# Altium PCB PCB.PcbDoc (continued)
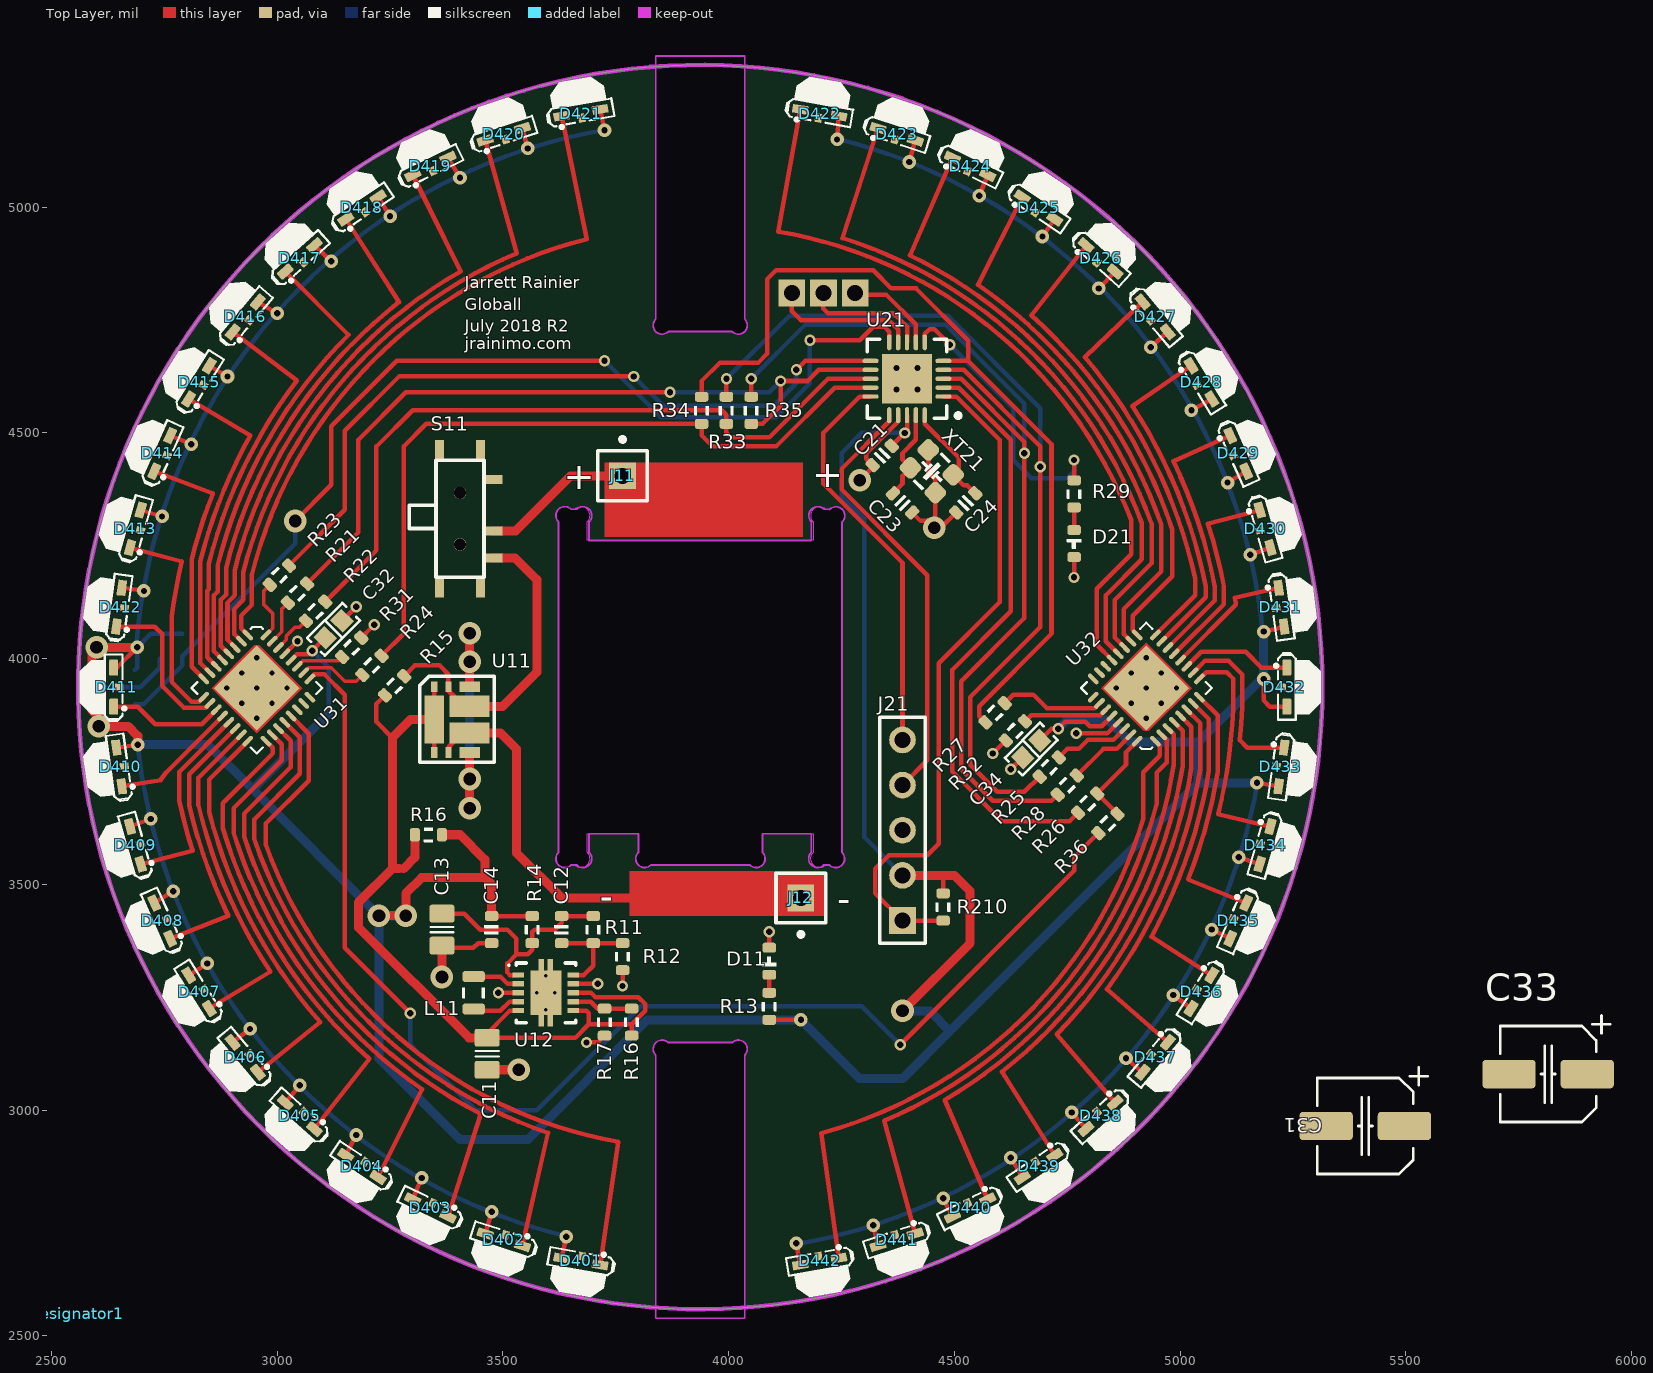
[diagram p0: Top Layer view]
## Footprints (in the part's own frame and the unit in brackets; to place one, negate y for a bottom-side part, rotate by r counter-clockwise, add the part's x,y. Pads: shape width x height; smd on the part's side, far side on the other; paste and mask are expansions set on the pad)
10-VSON [mm] "VSON, 10-Leads, Body 3x3mm, Pitch 0.5mm"
  rect 0.65x0.3 smd: 1(-1.55,1) 2(-1.55,0.5) 3(-1.55,0) 4(-1.55,-0.5) 5(-1.55,-1) 6(1.55,-1) 7(1.55,-0.5) 8(1.55,0) 9(1.55,0.5) 10(1.55,1)
  rect 0.3x0.65 smd: 9(-0.25,-1.575) 9(-0.25,1.575) 9(0.25,-1.575) 9(0.25,1.575)
  rect 1.75x2.5 smd: 9(0,0)
  silkscreen extent -2.12,-1.68 1.67,1.68, body extent -1.52,-1.52 1.52,1.52, height 1
"CAP 0603/1608" [mm] "Chip Capacitor, 2-Leads, Body 1.60x0.80mm, IPC Medium Density"
  rect 0.9x1 smd: 1(-0.675,0) 2(0.675,0)
  silkscreen extent -1.4,-0.7 1.4,0.7, body extent -0.8,-0.41 0.8,0.41, height 0.82
CAP_0603 [mil]
  rrect50% 22x30 smd: 1(-30,0) 2(30,0)
  silkscreen extent -10,-15 10,15, body extent -31,-16 31,16, height 31
CAP_ELEC_5x5.7 [mm] "Capacitor, polarized, aluminum can; 5x5.7mm DxH"
  round 0.508 on Mech15: 0(0,0)
  rrect25% 3x1.6 smd: 1(2.2,0) 2(-2.2,0)
  silkscreen extent -2.7,-2.7 3.5,3.3, body extent -2.65,-2.65 2.65,2.65, height 5.7
CAPC2012X135N [mm] "Chip Capacitor, Body 2.0x1.2mm, EIA 0805, IPC Medium Density"
  round 0.254 on Mech15: 0(0,0)
  rrect25% 1x1.4 smd: 1(-0.9,0) 2(0.9,0)
  Top Layer pour cut-out: -0.675,0.7 -0.475,0.9 0.475,0.9 0.675,0.7 0.675,-0.7 0.475,-0.9 -0.475,-0.9 -0.675,-0.7
  silkscreen extent -0.15,-0.65 0.15,0.65, body extent -1.1,-0.72 1.1,0.73, height 1.34
HDR1X5 [mm] "Connector; Header; 5 Position"
  rect 1.5x1.5 hole 0.9: 1(0,0)
  round 1.5 hole 0.9: 2(2.54,0) 3(5.08,0) 4(7.62,0) 5(10.16,0)
  silkscreen extent -1.27,-1.27 11.43,1.27
LED-0805S-SIDELED-2.1X0.6X1.0 [mm] "Lite-On Inc PLCC Side LED"
  round 0.508 on Mech15: 0(0,0)
  rrect25% 0.9x0.5 smd: A(1.1,0) K(-1.1,0)
  rrect25% 0.4x0.5 smd: B(0,-0.3)
  Top Layer pour cut-out: -0.508,0.3 0.508,0.3 0.508,-0.3 -0.508,-0.3
  silkscreen extent -1.9,-0.68 1.83,1.9, body extent -1.1,-0.3 1.1,0.8, height 0.7
LED_0603_RED [mil]
  rrect50% 22x30 smd: 1(-30,0) 2(30,0)
  silkscreen extent -10,-16 10,16, body extent -32,-16 32,16, height 24
MSK-12C02 [mm] "MSK-12C02 2 Position 7pins SPDT 0.3A Miniature Horizontal Slide Switch"
  rect 1.1x0.5 smd: 1(1.85,-2.2) 2(1.85,-0.7) 3(1.85,2.2)
  rect 0.5x1.1 smd: 4(-1.15,3.875) 5(1.15,3.875) 6(-1.15,-3.875) 7(1.15,-3.875)
  round 0.7 hole 0.7 unplated: MH1(0,1.45) MH2(0,-1.45)
  silkscreen extent -2.85,-3.3 1.35,3.3
PIN1 [mm] "Connector; Plug"
  rect 1.5x1.5 hole 0.9: 1(0,0)
  silkscreen extent -1.4,-1.4 1.4,2.17
QFN50P500X500X100-33N [mm] "QFN, 32-Leads with exposed die pad, Body 5.2x5.2mm (max), Pitch 0.50mm, IPC Medium Density"
  oval 0.75x0.25 smd mask+0.075: 1(-2.475,1.75) 2(-2.475,1.25) 3(-2.475,0.75) 4(-2.475,0.25) 5(-2.475,-0.25) 6(-2.475,-0.75) 7(-2.475,-1.25) 8(-2.475,-1.75) 17(2.475,-1.75) 18(2.475,-1.25) 19(2.475,-0.75) 20(2.475,-0.25) 21(2.475,0.25) 22(2.475,0.75) 23(2.475,1.25) 24(2.475,1.75)
  oval 0.25x0.75 smd mask+0.075: 9(-1.75,-2.475) 10(-1.25,-2.475) 11(-0.75,-2.475) 12(-0.25,-2.475) 13(0.25,-2.475) 14(0.75,-2.475) 15(1.25,-2.475) 16(1.75,-2.475) 25(1.75,2.475) 26(1.25,2.475) 27(0.75,2.475) 28(0.25,2.475) 29(-0.25,2.475) 30(-0.75,2.475) 31(-1.25,2.475) 32(-1.75,2.475)
  oct 0.8x0.8 smd far side paste-1.7: 33(-1.4,1.4)
  rect 3.4x3.4 smd paste-1.7: 33(0,0)
  rrect1% 3.6x3.4 smd far side paste-1.7: 33(0,-0.1)
  rrect1% 3.4x3.6 smd far side paste-1.7: 33(0.1,0)
  Top Layer region: -1.8,1.6 -1.6,1.8 1.8,1.8 1.8,1.6
  Top Layer region: -1.6,1.8 -1.8,1.6 -1.8,-1.8 -1.6,-1.8
  Top Layer region: -1.8,-1.6 -1.6,-1.8 1.8,-1.8 1.8,-1.6
  Top Layer region: 1.6,-1.8 1.8,-1.6 1.8,1.8 1.6,1.8
  silkscreen extent -2.6,-2.6 2.6,2.6, body extent -2.59,-2.59 2.6,2.6, height 1
QFN-ML20_M [mm] "QFN, 20-Leads, Body 4x4mm, Pitch 0.5mm, IPC Low Density"
  oval 0.9x0.25 smd: 1(-2.05,1) 2(-2.05,0.5) 3(-2.05,0) 4(-2.05,-0.5) 5(-2.05,-1) 11(2.05,-1) 12(2.05,-0.5) 13(2.05,0) 14(2.05,0.5) 15(2.05,1)
  oval 0.25x0.9 smd: 6(-1,-2.05) 7(-0.5,-2.05) 8(0,-2.05) 9(0.5,-2.05) 10(1,-2.05) 16(1,2.05) 17(0.5,2.05) 18(0,2.05) 19(-0.5,2.05) 20(-1,2.05)
  rect 2.8x2.8 smd: 21(0,0)
  silkscreen extent -3,-2.22 2.22,2.22, body extent -2.07,-2.07 2.07,2.07, height 1
RES_0603 [mil]
  rrect50% 22x30 smd: 1(-30,0) 2(30,0)
  silkscreen extent -10,-16 10,16, body extent -31,-16 31,16, height 18
RES_0805 [mil]
  rrect50% 24x50 smd: 1(-36,0) 2(36,0)
  silkscreen extent -12,-24 12,24, body extent -39,-25 39,25, height 24
SOT23-3 [mil]
  rrect50% 30x24 smd: 1(-47,38) 2(-47,-38) 3(47,0)
  silkscreen extent -21,-53 21,53, body extent -55,-57 55,57, height 51
U-DFN4040-8 [mm]
  rect 1.1x2.7 smd mask+0.075: 1(-1.2,0)
  rect 0.35x0.6 smd mask+0.075: 1(-1.2,1.85) 2(-0.4,1.85) 5(-0.4,-1.85) 6(-1.2,-1.85)
  rect 2.25x1.2 smd mask+0.075: 2(0.8,0.75) 5(0.8,-0.75)
  rect 1.15x0.6 smd mask+0.075: 3(0.8,1.85) 4(0.8,-1.85)
  silkscreen extent -2,-2.4 2.17,2.45
XT_2520_4 [mil]
  rrect50% 40x40 smd: 1(39,28) 2(-39,28) 3(-39,-28) 4(39,-28)
  silkscreen extent -29,-44 29,44, body extent -49,-39 49,39, height 31
? [mil]

## Part data
C11 C12 C13 C14 C21 C22 C23 C24 C32 C34: "Capacitor"
C31 C33: library part "Polarised Capacitor", "SMT Polarised Capacitor"
D11 D21: "LED"
D401 D402 D403 D404 D405 D406 D407 D408 D409 D410 D411 D412 D413 D414 D415 D416 D417 D418 D419 D420 D421 D422 D423 D424 D425 D426 D427 D428 D429 D430 D431 D432 D433 D434 D435 D436 D437 D438 D439 D440 D441 D442: library part LED_SMD_PureGreen_0805RA_250mcd, "LED 0805 SIDELED SMD Green 250mcd 525nm"
J11 J12: library part Plug, "Plug"
J21: "Header, 5-Pin"
R11 R12 R13 R14 R15 R16 R16 R17 R21 R22 R23 R24 R25 R26 R27 R28 R29 R31 R32 R33 R34 R35 R36 R210 R211: "Resistor"
S11: "SPDT Subminiature Toggle Switch, Right Angle Mounting, Vertical Actuation"
U11: "3A Full Bridge Rectifier"
U12: "Buck-Boost Switching Regulator IC Positive Fixed 3.3V 1 Output 1.6A (Switch) 10-VFDFN Exposed Pad"
U21: "PIC PIC® XLP™ 16F Microcontroller IC 8-Bit 32MHz 14KB (8K x 14) FLASH 20-QFN (4x4)"
U22: library part A32xx, "Sensor Hall"
U31 U32: "LED Driver"
XT21: "Crystal Oscillator"

## Free pads (board coordinates)
  rect 59.06x59.06 hole 35.43: 1(4140,4810) 1(4210,4810) 1(4280,4810)

## Via types
v1: diameter 30, hole 14, Top Layer to Bottom Layer, 43 vias
v2: diameter 25, hole 14, Top Layer to Bottom Layer, 29 vias
v3: diameter 15.75, hole 11.81, Top Layer to Bottom Layer, tented both sides, 18 vias
v4: diameter 50, hole 28, Top Layer to Bottom Layer, 14 vias
v5: diameter 19.68, hole 7.87, Top Layer to Bottom Layer, tented top, 4 vias
v6: diameter 25.98, hole 12.99, Top Layer to Bottom Layer, tented top, 4 vias

## Nets (pads, with @x,y where several pads share a name; then routed paths per layer and width w, separated by ;. In a path a pad name is that pad's centre, name@x,y a point inside that pad or via, vN(x,y) a via of type N, cw(c..) or ccw(c..) an arc to the next point about the centre after c; other vN are vias at no path point)
BLANK1: R22.2 U31.30 | length 90
  Top Layer w8: U31.30 3020,4041.76 3020,4050 3040,4070 3050,4070 R22.2
BLANK1_I: R22.1 R33.2 U21.13 | length 1620.5
  Top Layer w10: R22.1 3220,4240 3220,4470 3300,4550 3985,4550 3995,4540 R33.2 3995,4500 4005,4490 4090,4490 4220,4620 U21.13
BLANK2: R25.2 U32.30 | length 172.3
  Top Layer w10: R25.2 4750,3800 4762.43,3800 4775,3800 4795,3820 4851.76,3820 U32.30
BLANK2_I: R25.1 R33.1 U21.4 | length 2254.3
  Top Layer w10: R33.1 v2(3995,4620) ; U21.4 4520.31,4639.69 4690,4470 v2(4690,4425) 4690,4070 4535,3915 4535,3765 4595,3705 4655,3705 R25.1
  Bottom Layer w10: v2(3995,4620) 4135,4760 4485,4760 4690,4555 v2(4690,4425)
GND: C11.1 C13.1 C14.1 C21.1 C22.1 C23.1 C24.1 C31.2 C32.1 C33.2 C34.1 D11.2 D21.2 J21.3 R12.1 R17.1 R31.1 R32.1 U11.3 U11.4 U12.3 U12.9@3656.02,3279.68 U21.17 U21.21 U22.3 U31.29 U32.29 XT21.2 XT21.4 | length 2107.7
  Top Layer w10: U31.29 v2(3045,4038.92) ; C32.1@3146.21,4086.21 v2(3175,4115) ; R31.1 v2@3210,4070 ; C13.1@3365,3359.57 3434.57,3359.57 3445,3370 C14.1 ; v2(3490,3260) U12.3 ; U12.9@3656.02,3279.68 3709.68,3279.68 v2(3710,3280) ; v2(3685,3150) 3710,3150 R17.1 ; v2@3765,3270 v2(3765,3275) R12.1 ; D11.2 v2(4090,3395) ; v4(4290,4395) 4318.79,4423.79 C21.1 4305,4442.57 4305,4455 4375.31,4525.31 U21.17 ; C23.1 4425,4305 4440,4305 v4(4455,4290) 4470,4290 C24.1 ; XT21.4 4442.22,4412.78 4457.78,4397.22 XT21.2 v4@4457.78,4292.78 ; v2(4585,3790) R32.1 ; v2(4625,3755) C34.1@4648.79,3778.79 ; v2(4765,4180) D21.2 ; v2(4770,3835) 4838.92,3835 U32.29
  Top Layer w20: v4(3365,3295) C13.1@3365,3359.57 ; v4(3426.5,3668.5) v4(3426.5,3733.5) U11.4 ; U11.3 v4(3426.5,3993.5) ; v4@3426.5,4000.83 v4(3426.5,4056.5) ; C11.1 v4(3535.43,3089.57)
  Bottom Layer w10: U22.3 2697.01,3937.01 2740,3980 C22.1 C22.1@2740,4000
  Bottom Layer w20: v4(3426.5,3668.5) v4(3426.5,3733.5) v4(3426.5,3993.5) v4(3426.5,4056.5)
  other v2: 3215,4075
  other v6: 4371.38,4596.38 4418.62,4596.38 4371.38,4643.62 4418.62,4643.62
IN1: R15.2 S11.1 U11.2 | length 709.9
  Top Layer w10: R15.2 3305,3985 3360,3985 3379.25,3965.75 U11.2@3379.25,3937.83 ; U11.2@3379.25,3929.29 U11.2@3394.27,3914.27 ; U11.2@3390,3910 3405.47,3894.53 U11.2@3426.5,3894.53
  Top Layer w20: U11.2@3426.5,3894.53 3499.53,3894.53 3575,3970 3575,4175 3526.61,4223.39 S11.1
IN2: J12.1 U11.5 | length 1089.8
  Top Layer w10: U11.5@3380,3800 3380,3805 U11.5@3423.31,3848.31 ; U11.5@3422.56,3835.47 3426.5,3835.47 U11.5@3426.97,3835
  Top Layer w20: U11.5@3426.97,3835 3495,3835 3530,3800 3530,3570 3630,3470 J12.1
NetC12_1: C12.1 R11.1 R12.2 U12.10 | length 232.5
  Top Layer w10: C12.1@3635,3370 R11.1 ; U12.10 3679.37,3299.37 3700,3320 R11.1 ; R12.2 R11.1
NetC12_2: C12.2 C13.2 R11.2 R14.2 U12.1 | length 535
  Top Layer w10: C13.2 3414.57,3435.43 3450,3400 3510,3400 3530,3380 3530,3345 ; U12.1 3515.63,3299.37 3510,3305 3510,3325 3530,3345 ; R11.2 C12.2 3630,3415 3615,3400 3570,3400 3565,3395 R14.2 3565,3355 3555,3345 3530,3345
NetD11_1: D11.1 R13.1 | length 40
  Top Layer w10: R13.1 D11.1
NetD21_1: D21.1 R29.1 | length 50
  Top Layer w10: D21.1 R29.1
NetJ11_1: J11.1 S11.2 | length 337.9
  Top Layer w20: S11.2 3527.44,4282.44 3650,4405 J11.1
NetJ22_1: pad.1@4280,4810 U21.7 | length 203.2
  Top Layer w10: pad.1@4280,4810 4283.5,4806.5 4348.5,4806.5 4414.69,4740.31 U21.7
NetJ23_1: pad.1@4210,4810 U21.8 | length 270.9
  Top Layer w10: pad.1@4210,4810 4210,4775 4220,4765 4365,4765 4395,4735 U21.8
NetJ24_1: pad.1@4140,4810 U21.9 | length 321
  Top Layer w10: pad.1@4140,4810 4140,4770 4160,4750 4355,4750 4375.31,4729.69 U21.9
NetL11_1: L11.1 U12.4 | length 102.4
  Top Layer w10: L11.1@3440,3220 3494.34,3220 3514.65,3240.31 U12.4
NetL11_2: L11.2 U12.2 | length 100.3
  Top Layer w10: L11.2@3440,3295 3495,3295 3510.32,3279.68 U12.2
NetR16_1: R16.1@3785,3225 R17.2 U12.7 | length 135.3
  Top Layer w10: U12.7 3694.69,3240.31 3710,3225 R17.2 R16.1@3785,3225
NetR29_2: R29.2 U21.6 | length 634
  Top Layer w10: U21.6 4434.37,4719.37 4445,4730 4455,4730 v2(4490,4695) ; R29.2 v2(4765,4440)
  Bottom Layer w10: v2(4490,4695) 4630,4555 4630,4440 4670,4400 4750,4400 4765,4415 v2(4765,4440)
NetR31_2: R31.2 U31.27 | length 107.6
  Top Layer w8: U31.27 3056.76,3995 3135,3995 R31.2
NetR32_2: R32.2 U32.27 | length 189.7
  Top Layer w10: R32.2 4670,3875 4687.43,3875 4823.24,3875 U32.27
NetR211_1: R211.1 U21.10 U22.2 | length 2321.5
  Top Layer w10: v4(3040,4305) 3120,4385 3120,4515 3265,4660 v2(3725,4660) ; v2(4180,4705) 4290,4705 4320,4735 4345,4735 4355.63,4724.37 U21.10
  Bottom Layer w10: U22.2 2704.01,3899.01 2790,3985 R211.1 2790,4005 3040,4255 v4(3040,4305) ; v2(3725,4660) 3850,4535 4105,4535 4180,4610 v2(4180,4705)
OSC1: C24.2 U21.20 XT21.3 | length 234.4
  Top Layer w10: U21.20 4434.37,4520.63 4510,4445 4510,4419.85 XT21.3 4520.88,4383.71 4528.71,4383.71 C24.2
OSC2: C23.2 U21.19 XT21.1 | length 208.8
  Top Layer w10: C23.2 4385,4387.43 4385,4405.15 XT21.1 4385,4440.4 4385,4455 4414.69,4484.69 U21.19
OUT1_0: D421.K U31.1 | length 1529.4
  Top Layer w10: U31.1 2920,4067.44 2920,4095 2944.25,4119.25 2944.25,4186.48 cw(c3937.01,3937.01) 3685.21,4929.18 D421.K
OUT1_1: D420.K U31.2 | length 1391.8
  Top Layer w10: U31.2 2905,4054.6 2905,4110 2925.16,4130.16 2925.16,4191.28 cw(c3937.01,3937.01) 3530.84,4898.01 D420.K
OUT1_2: D419.K U31.3 | length 1275.6
  Top Layer w10: U31.3 2890,4041.76 2890,4123.93 2906.07,4140 2906.07,4196.08 cw(c3937.01,3937.01) 3406.17,4857.97 D419.K
OUT1_3: D418.K U31.4 | length 1137
  Top Layer w10: U31.4 2875,4028.92 2875,4130 2886.98,4141.98 2886.98,4200.87 cw(c3937.01,3937.01) 3270.09,4789.89 D418.K
OUT1_4: D417.K U31.5 | length 1013.4
  Top Layer w10: U31.5 2860,4016.08 2860,4140 2867.89,4147.89 2867.89,4205.67 cw(c3937.01,3937.01) 3158.01,4716.99 D417.K
OUT1_5: D416.K U31.6 | length 868.9
  Top Layer w10: U31.6 2845,4003.24 2845,4150 2848.79,4153.79 2848.79,4210.47 cw(c3937.01,3937.01) 3043.71,4615.98 D416.K
OUT1_6: D415.K U31.7 | length 714.9
  Top Layer w10: D415.K 2940.7,4494.61 ccw(c3937.01,3937.01) 2829.7,4215.27 2829.7,4185 ; 2830,4184.7 2830,3990.4 U31.7
OUT1_7: D414.K U31.8 | length 568.3
  Top Layer w10: D414.K 2857.69,4365.92 ccw(c3937.01,3937.01) 2810.61,4220.06 2810.61,3981.95 U31.8
OUT1_8: D413.K U31.9 | length 481
  Top Layer w10: D413.K 2789.14,4215.21 ccw(c3937.01,3937.01) 2766.49,4094.8 2766.49,3948.51 2810,3905 2827.56,3905 U31.9
OUT1_9: D412.K U31.10 | length 353.1
  Top Layer w10: D412.K 2728.95,4071.05 2745,4055 2745,3940 2793.5,3891.5 2841.9,3891.5 U31.10
OUT1_10: D411.K U31.11 | length 256.7
  Top Layer w10: D411.K 2691.3,3893.7 2730,3855 2833.24,3855 U31.11
OUT1_11: D410.K U31.12 | length 284.7
  Top Layer w10: D410.K 2741.75,3731.09 2753.65,3747.57 U31.12
OUT1_12: D409.K U31.13 | length 453.2
  Top Layer w10: D409.K 2812.96,3574.34 cw(c3937.01,3937.01) 2782.96,3685.65 2782.96,3749.04 U31.13
OUT1_13: D408.K U31.14 | length 610.2
  Top Layer w10: D408.K 2891.7,3430.82 cw(c3937.01,3937.01) 2805.5,3675.12 2805.5,3743.74 U31.14
OUT1_14: D407.K U31.15 | length 756.9
  Top Layer w10: D407.K 2985.05,3306.66 cw(c3937.01,3937.01) 2825.71,3675.17 2825.71,3736.11 U31.15
OUT1_15: D406.K U31.16 | length 900.6
  Top Layer w10: U31.16 2849.71,3732.27 2849.71,3659.93 ccw(c3937.01,3937.01) 3095.19,3195.17 D406.K
OUT1_16: D405.K U31.17 | length 1054.5
  Top Layer w10: U31.17 2990,3802.56 2990,3790 2879.74,3679.74 2879.74,3624.92 ccw(c3937.01,3937.01) 3203.89,3113.76 D405.K
OUT1_17: D404.K U31.18 | length 1205.8
  Top Layer w10: U31.18 3010,3810.4 3010,3775 2903.47,3668.47 2903.47,3614.52 ccw(c3937.01,3937.01) 3321.1,3046.59 D404.K
OUT1_18: D403.K U31.19 | length 1359.8
  Top Layer w10: U31.19 3030,3818.24 3030,3760 2926.98,3656.98 2926.98,3605.65 ccw(c3937.01,3937.01) 3450.87,2991.69 D403.K
OUT1_19: D402.K U31.20 | length 1523.4
  Top Layer w10: U31.20 3050,3826.08 3050,3745 2949.67,3644.67 2949.67,3599.89 ccw(c3937.01,3937.01) 3599.89,2949.67 D402.K
OUT1_20: D401.K U31.21 | length 1684.3
  Top Layer w10: U31.21 3070,3833.92 3070,3730 2975.13,3635.13 2975.13,3586.87 ccw(c3937.01,3937.01) 3754.95,2929.71 D401.K
OUT1_21: U31.22
OUT1_22: U31.23
OUT1_23: U31.24
OUT2_0: D442.K U32.1 | length 1511.5
  Top Layer w10: D442.K 4205.23,2949.15 ccw(c3937.01,3937.01) 4918.25,3645.52 4918.25,3748.25 4955,3785 4955,3807.56 U32.1
OUT2_1: D441.K U32.2 | length 1385.3
  Top Layer w10: D441.K 4344.36,2976.51 ccw(c3937.01,3937.01) 4947.66,3678.04 4947.66,3747.66 4970,3770 4970,3820.4 U32.2
OUT2_2: D440.K U32.3 | length 1253.8
  Top Layer w10: D440.K 4478.61,3022.34 ccw(c3937.01,3937.01) 4985.97,3764.88 4985.97,3832.27 U32.3
OUT2_3: D439.K U32.4 | length 1128.9
  Top Layer w10: D439.K 4605.02,3084.98 ccw(c3937.01,3937.01) 5005.4,3761.69 5005.4,3840.68 U32.4
OUT2_4: D438.K U32.5 | length 995.3
  Top Layer w10: D438.K 4726.88,3168.04 ccw(c3937.01,3937.01) 5024.82,3758.5 5024.82,3849.1 U32.5
OUT2_5: D437.K U32.6 | length 857.2
  Top Layer w10: D437.K 4837.76,3267.95 ccw(c3937.01,3937.01) 5044.25,3755.31 5044.25,3857.51 U32.6
OUT2_6: D436.K U32.7 | length 713.4
  Top Layer w10: U32.7 5063.67,3865.93 5063.67,3752.13 cw(c3937.01,3937.01) 4936.09,3384.4 D436.K
OUT2_7: D435.K U32.8 | length 568.9
  Top Layer w10: U32.8 5083.1,3874.34 5083.1,3748.94 cw(c3937.01,3937.01) 5017.47,3511 D435.K
OUT2_8: D434.K U32.9 | length 509.3
  Top Layer w10: U32.9 5057.44,3970 5103.02,3970 5117.97,3955.05 cw(c3937.01,3937.01) 5084.01,3655.24 D434.K
OUT2_9: D433.K U32.10 | length 382.3
  Top Layer w10: U32.10 5054.6,3995 5107.41,3995 5137.47,3964.94 cw(c3937.01,3937.01) 5132.06,3819.8 5148.86,3803 D433.K
OUT2_10: D432.K U32.11 | length 249.1
  Top Layer w10: U32.11 5046.76,4015 5145,4015 5179.69,3980.32 D432.K
OUT2_11: D431.K U32.12 | length 288.2
  Top Layer w10: U32.12 5123.04,4119.12 5123.04,4124.69 ccw(c3937.01,3937.01) 5121.32,4135.22 D431.K
OUT2_12: D430.K U32.13 | length 456.8
  Top Layer w10: U32.13 5096.98,4120.9 5096.98,4159.42 ccw(c3937.01,3937.01) 5061.33,4298.82 D430.K
OUT2_13: D429.K U32.14 | length 609.4
  Top Layer w10: U32.14 5076.93,4128.69 5076.93,4159.4 ccw(c3937.01,3937.01) 4985.09,4437.43 D429.K
OUT2_14: D428.K U32.15 | length 753.3
  Top Layer w10: U32.15 5056.69,4136.28 5056.69,4160.34 ccw(c3937.01,3937.01) 4894.15,4559.45 D428.K
OUT2_15: D427.K U32.16 | length 892.4
  Top Layer w10: D427.K 4788.36,4667.89 cw(c3937.01,3937.01) 5033.14,4176.75 5033.14,4140.58 U32.16
OUT2_16: D426.K U32.17 | length 1045.3
  Top Layer w10: D426.K 4670.18,4760.21 cw(c3937.01,3937.01) 4982.7,4285.9 4982.7,4182.7 4895,4095 4895,4062.44 U32.17
OUT2_17: D425.K U32.18 | length 1197.1
  Top Layer w10: D425.K 4552.08,4828.01 cw(c3937.01,3937.01) 4958.46,4295.94 4958.46,4193.46 4875,4110 4875,4054.6 U32.18
OUT2_18: D424.K U32.19 | length 1385.8
  Top Layer w10: D424.K@4505,5100.34 D424.K 4401.52,4893.13 cw(c3937.01,3937.01) 4936.55,4298.75 4936.55,4211.55 4855,4130 4855,4046.76 U32.19
OUT2_19: D423.K U32.20 | length 1543.2
  Top Layer w10: D423.K@4335,5170.5 D423.K 4252.09,4931.6 cw(c3937.01,3937.01) 4915.12,4300.04 4915.12,4220.12 4835,4140 4835,4038.92 U32.20
OUT2_20: D422.K U32.21 | length 1687.1
  Top Layer w10: D422.K 4109.32,4946.02 cw(c3937.01,3937.01) 4891.53,4306.72 4891.53,4231.53 4815,4155 4815,4031.08 U32.21
OUT2_21: U32.22
OUT2_22: U32.23
OUT2_23: U32.24
PGC: J21.5 U21.15 | length 890.2
  Top Layer w10: U21.15 4290.63,4580.63 4210,4500 4210,4387.63 4385,4212.63 J21.5
PGD: J21.4 U21.16 | length 964.5
  Top Layer w10: U21.16 4355.63,4525.63 4250,4420 4250,4375 4440,4185 4440,3775 J21.4
SCLK1: R21.2 U31.31 | length 99.5
  Top Layer w8: U31.31 3010,4059.6 3010,4110 R21.2
SCLK1_I: R21.1 R35.2 U21.12 | length 1690.9
  Top Layer w10: R21.1 3180,4280 3180,4485 3285,4590 v2(3870,4590) ; R35.2@4060,4520 4075,4520 4115,4560 v2(4115,4615) 4175,4615 4199.69,4639.69 U21.12
  Bottom Layer w10: v2(3870,4590) 4090,4590 v2(4115,4615)
SCLK2: R28.2 U32.31 | length 157
  Top Layer w10: R28.2 4830,3800 4859.6,3800 U32.31
SCLK2_I: R28.1 R35.1 U21.3 | length 2146
  Top Layer w10: R35.1 v2(4050,4620) ; U21.3 4515,4620 4655,4480 v2(4655,4455) 4655,4090 4515,3950 4515,3755 4585,3685 4715,3685 R28.1
  Bottom Layer w10: v2(4050,4620) 4170,4740 4480,4740 4655,4565 v2(4655,4455)
SIN1: R23.2 U31.32 | length 131.3
  Top Layer w8: U31.32 2990,4067.44 2990,4100 2970,4120 2970,4150 R23.2
SIN1_I: R23.1 U21.11 | length 1649.7
  Top Layer w10: R23.1 3150,4330 3150,4505 3270,4625 v2(3790,4625) ; v2(4150,4640) 4169.37,4659.37 U21.11
  Bottom Layer w10: v2(3790,4625) 3855,4560 4100,4560 4150,4610 v2(4150,4640)
SIN2: R26.2 R36.1 U32.32 | length 216.5
  Top Layer w10: R36.1 R26.2 4880,3765 4880,3792.56 U32.32
SIN2_I: R26.1 U21.2 | length 1318
  Top Layer w10: U21.2 4509.69,4600.31 4625,4485 4625,4105 4495,3975 4495,3750 4605,3640 4755,3640 R26.1
SOUT1: R36.2 U31.25 | length 2861.2
  Top Layer w10: U31.25 3082.44,3965 3105,3965 3150,3920 3150,3360 v2(3295,3215) ; v2(4380,3145) 4765,3530 4765,3560 R36.2
  Bottom Layer w10: v2(3295,3215) 3295,3145 3440,3000 3575,3000 3805,3230 4295,3230 v2(4380,3145)
VCC: C14.2 C21.2 C22.2 C31.1 C32.2 C33.1 C34.2 D401.A D402.A D403.A D404.A D405.A D406.A D407.A D408.A D409.A D410.A D411.A D412.A D413.A D414.A D415.A D416.A D417.A D418.A D419.A D420.A D421.A D422.A D423.A D424.A D425.A D426.A D427.A D428.A D429.A D430.A D431.A D432.A D433.A D434.A D435.A D436.A D437.A D438.A D439.A D440.A D441.A D442.A J21.2 R13.2 R14.1 R16.1@3365,3610 R210.2 R211.2 U21.18 U22.1 U31.28 U32.28 | length 16720
  Top Layer w10: D411.A 2645.32,3980.32 v1(2690,4025) ; D410.A v1(2691.53,3809.65) ; D412.A v1(2705,4150) ; D409.A v1(2720,3645) ; D413.A v1(2745,4315) ; D408.A v1(2770,3485) ; D414.A v1(2810,4475) ; D407.A v1(2845,3325) ; D415.A v1(2890,4625) ; D406.A v1(2940,3180) ; D416.A v1(3000,4765) ; D405.A v1(3050,3055) ; U31.28 3043.92,4010 3070,4010 v2(3077.5,4017.5) C32.2@3103.79,4043.79 ; D417.A v1(3120,4880) ; D404.A v1(3175,2945) ; D418.A v1(3250,4980) ; v4(3225.43,3430.43) v4@3225.87,3430 ; D403.A v1(3320,2850) ; D419.A v1(3405,5065) ; D402.A v1(3475,2775) ; C14.2 R14.1 ; D420.A v1(3555,5130) ; D401.A v1(3640,2720) ; D421.A v1(3725,5170) ; R13.2 v1(4160,3200) ; v1(4150,2705) D442.A ; v1(4240,5150) D422.A ; v1(4320,2745) D441.A ; C21.2 v2(4390,4500) 4395,4505 U21.18 ; v1(4400,5100) D423.A ; v1(4475,2805) D440.A ; R210.2 4475,3520 ; v1(4555,5025) D424.A ; v1(4625,2895) D439.A ; C34.2@4691.21,3821.21 4715,3845 v2(4730,3845) 4745,3860 4790,3860 4800,3850 4826.08,3850 U32.28 ; v1(4695,4935) D425.A ; v1(4760,2995) D438.A ; v1(4820,4820) D426.A ; v1(4880,3115) D437.A ; v1(4935,4690) D427.A ; v1(4985,3255) D436.A ; v1(5025,4550) D428.A ; v1(5070,3400) D435.A ; v1(5105,4390) D429.A ; v1(5130,3560) D434.A ; v1(5155,4230) D430.A ; v1(5170,3725) D433.A ; v1@5185,3960 v1(5185,3955) 5185,3907.4 5198.7,3893.7 D432.A ; v1(5185,4060) D431.A
  Top Layer w20: v4(2600,4025) 2590,4015 2590,3885 2605,3870 v4(2605,3850) 2670,3850 2691.53,3828.47 v1(2691.53,3809.65) ; v4@2605,4010 2620,4025 v1(2690,4025) ; v4@3225.43,3430.87 v4(3285,3430.87) 3285,3480 3320,3515 3460,3515 ; R16.1@3365,3610 3405,3610 3460,3555 3460,3515 ; C14.2 3475,3500 3460,3515 ; v4(4385,3220) 4535,3370 4535,3485 4500,3520 4475,3520 J21.2
  Bottom Layer w10: U22.1 2690,3980.21 v1(2690,4025) 2720,4055 C22.2 R211.2 ; v1@2688.14,4025.13 cw(c3937.01,3937.01) v1@3724.85,5170.87 ; v1(2691.53,3809.65) ccw(c3937.01,3937.01) v1@3640.18,2720.74 ; v2(3077.5,4017.5) 3114.57,3980.43 3114.57,3879.57 ; v1@4150.28,2703.34 ccw(c3937.01,3937.01) v1@5170.87,3724.85 ; v1@4240.41,5151.66 cw(c3937.01,3937.01) v1@5182.89,4060.29 ; J21.2 4300,3605 4300,4310 4250,4360 4250,4455 4295,4500 v2(4390,4500)
  Bottom Layer w20: v4(2600,4025) v1(2690,4025) ; v4(2605,3850) 2670,3850 2691.53,3828.47 v1(2691.53,3809.65) 2846.22,3809.65 2945.43,3710.43 ; 3114.57,3879.57 2945.43,3710.43 ; v4@3295,3440.87 v4(3285,3430.87) 3284.57,3430.43 v4(3225.43,3430.43) ; v4(4385,3220) 4445,3220 4490,3175 ; v2(4730,3845) 4748.75,3863.75 4841.25,3863.75 4890,3815 5040,3815 ; v1(5170,3725) 5040,3725 ; v1(5185,4060) 5185,3960 5040,3815 ; 2945.43,3710.43 v4(3225.43,3430.43) ; v4(3225.43,3430.43) 3225.43,3114.57 3405,2935 3555,2935 3820,3200 v1(4160,3200) 4290,3070 4385,3070 4490,3175 ; 4490,3175 5040,3725 ; 5040,3725 5040,3815
VIN: C11.2 R15.1 R16.2 U11.1 U11.6 U12.5 U12.6 U12.8 | length 2035.7
  Top Layer w10: R15.1 3220,3900 3220,3860 3255,3825 ; U11.6 3347.76,3865 U11.1@3347.76,3937.83 ; C11.2@3460.22,3165.22 3515.63,3220.63 U12.5 ; C11.2@3465,3160 3660,3160 3690,3190 ; U12.6 3684.37,3220.63 3690,3215 3690,3190 ; U12.8 3695,3260 3705,3250 3800,3250 3815,3235 3815,3220 3785,3190 ; R16.2@3785,3165 3785,3190 ; 3690,3190 3785,3190
  Top Layer w20: 3270,3535 3255,3535 ; 3280,3535 3305,3560 R16.2@3305,3610 ; U11.1@3347.76,3865 3295,3865 3255,3825 3255,3535 ; C11.2@3449.57,3160 3425,3160 3180,3405 3180,3460 3255,3535
VPP: J21.1 R210.1 U21.1 | length 1507.5
  Top Layer w10: R210.1 J21.1 4325,3480 4325,3535 4355,3565 4440,3565 4465,3590 4465,3990 4600,4125 4600,4485 4504.37,4580.63 U21.1
XLAT1: R24.2 U31.26 | length 152.7
  Top Layer w8: U31.26 3069.6,3980 3120,3980 3150,3950 3175,3950 R24.2
XLAT1_I: R24.1 R34.2 U21.14 | length 1628.3
  Top Layer w10: R24.1 3280,4055 3280,4470 3330,4520 R34.2 3940,4495 3965,4470 4105,4470 4235.31,4600.31 U21.14
XLAT2: R27.2 U32.26 | length 234.8
  Top Layer w10: R27.2 4630,3920 4675,3920 4705,3890 4810.4,3890 U32.26
XLAT2_I: R27.1 R34.1 U21.5 | length 1937.1
  Top Layer w10: R34.1 3940,4615 3980,4655 4065,4655 4085,4675 4085,4840 4105,4860 4320,4860 4360,4820 4415,4820 4530.63,4704.37 4530.63,4659.37 ; U21.5 4515.71,4659.37 4530.63,4659.37 ; R27.1 4555,3872.57 4555,3895 4715,4055 4715,4475 4530.63,4659.37
pads on no net: C11.0 C13.0 C31.0 C33.0 D401.0 D401.B D402.0 D402.B D403.0 D403.B D404.0 D404.B D405.0 D405.B D406.0 D406.B D407.0 D407.B D408.0 D408.B D409.0 D409.B D410.0 D410.B D411.0 D411.B D412.0 D412.B D413.0 D413.B D414.0 D414.B D415.0 D415.B D416.0 D416.B D417.0 D417.B D418.0 D418.B D419.0 D419.B D420.0 D420.B D421.0 D421.B D422.0 D422.B D423.0 D423.B D424.0 D424.B D425.0 D425.B D426.0 D426.B D427.0 D427.B D428.0 D428.B D429.0 D429.B D430.0 D430.B D431.0 D431.B D432.0 D432.B D433.0 D433.B D434.0 D434.B D435.0 D435.B D436.0 D436.B D437.0 D437.B D438.0 D438.B D439.0 D439.B D440.0 D440.B D441.0 D441.B D442.0 D442.B S11.3 S11.4 S11.5 S11.6 S11.7 S11.MH1 S11.MH2 U12.9@3585.16,3197.99 U12.9@3585.16,3322.01 U12.9@3595,3260 U12.9@3604.84,3197.99 U12.9@3604.84,3322.01 U31.33 U32.25 U32.33
copper on no net:
  other v3: 2955,3868.19 4925,3868.19 2921.59,3901.59 2988.41,3901.59 4891.59,3901.59 4958.41,3901.59 2888.19,3935 2955,3935 3021.81,3935 4858.19,3935 4925,3935 4991.81,3935 2921.59,3968.41 2988.41,3968.41 4891.59,3968.41 4958.41,3968.41 2955,4001.81 4925,4001.81
  other v5: 3595,3222.6 3575.32,3260 3614.68,3260 3595,3297.4

## Polygon pours and split planes (outlines as drawn)
GND on Bottom Layer "Bottom Layer-No Net" (solid, remove dead copper, pour order 6): 3990,3230 3980,3240 3980,3460 3745,3460 3735,3470 3730,3465 3645,3465 3640,3465 3540,3565 3520,3585 3520,3805 3520,3850 3450,3920 3470,3940 3470,4110 3465,4110 3360,4215 3360,4465 3360,4480 3400,4520 3415,4505 4020,4505 4020,4685 4005,4700 3690,4700 3250,4700 3165,4615 3050,4500 3050,4420 3030,4420 2590,3980 2610,3960 2610,3825 2679.65,3825 2695,3809.65 2846.22,3809.65 3225.43,3430.43 3225,3430 3225,3240 3270,3240 3295,3215 3295,3145 3440,3000 3575,3000 3805,3230
GND on Bottom Layer "Bottom Layer-No Net" (solid, remove dead copper, pour order 10): 3950,3245 4280,3245 4380,3145 4490,3255 4490,3275 4490,3400 4325,3565 4210,3450 4195,3450 3925,3450 3920,3445
GND on Bottom Layer "Bottom Layer-No Net" (solid, remove dead copper, pour order 8): 3965,3230 3970,3225 4300,3225 4380,3145 4415,3110 4435,3110 4435,3120 5040,3725 5040,3815 5040,3860 5105,3925 5105,4090 5105,4185 4905,4385 4720,4570 4720,4670 4565,4825 4470,4920 4405,4920 4160,4920 4080,4840 4065,4825 4065,4715 4040,4715 4010,4685 4000,4675 4000,4505 4105,4505 4250,4360 4300,4310 4300,3605 4390,3515 4385,3510 4385,3220

## Keep-outs
Keep-Out Layer:
  circle w10: c3937.01,3937.01 r1377.95
  lines w3.94: 3650.87,3543.13 cw(c3636.95,3557.05) 3623.03,3570.97 3623.03,4303.03 cw(c3636.95,4316.95) 3650.87,4330.87 3663.25,4330.87 cw(c3677.17,4316.95) 3691.08,4303.03 ; 3650.87,3543.31 3663.29,3543.31 ; 3663.29,3543.13 ccw(c3677.2,3557.05) 3691.12,3570.97 ; 3690.94,3570.97 3690.94,3612.2 3800,3612.2 3800,3570.97 ccw(c3813.92,3557.05) 3827.84,3543.13 ; 3690.94,4303.03 3690.94,4261.81 4183.07,4261.81 4183.07,4302.72 ; 3827.84,3543.31 4047.16,3543.31 ; 3866.42,3149.61 4007.6,3149.61 cw(c4021.5,3135.67) 4035.42,3121.75 ; 3866.44,3149.6 ccw(c3852.52,3135.68) 3838.6,3121.77 3838.58,2539.37 4035.43,2539.37 4035.43,3121.75 ; 4007.56,4724.41 3866.46,4724.41 cw(c3852.52,4738.33) 3838.6,4752.25 3838.58,5334.65 4035.43,5334.65 4035.43,4752.26 ; 4007.58,4724.41 ccw(c4021.5,4738.33) 4035.42,4752.25 ; 4047.16,3543.13 ccw(c4061.08,3557.05) 4075,3570.97 4075,3612.2 4183.07,3612.2 4183.07,3570.97 ; 4182.89,3570.97 ccw(c4196.81,3557.05) 4210.73,3543.13 ; 4183.21,4302.87 cw(c4197.13,4316.79) 4211.05,4330.71 4223.44,4330.71 ; 4210.73,3543.31 4223.15,3543.31 ; 4223.15,3543.13 ccw(c4237.06,3557.05) 4250.98,3570.97 4250.98,4303.17 ; 4223.56,4330.59 cw(c4237.48,4316.67) 4251.4,4302.75
  text "CUT OUT" at 3735,3910 h54

## Other copper
Top Layer:
  rectangle net NetJ11_1: 3725,4270 4165,4435
  rectangle net IN2: 3780,3430 4215,3530
Bottom Layer:
  rectangle net NetJ11_1: 3725,4270 4165,4435
  rectangle net IN2: 3780,3430 4215,3525

## Silkscreen, mask and mechanical layers (free items; w line width, h text height)
Top Overlay:
  text "Jarrett Rainier" at 3415,4820 h27
  text "Globall" at 3415,4772 h27
  text "July 2018 R2" at 3415,4724 h27
  text "jrainimo.com" at 3415,4685 h27
  text "+" at 4185,4380 h60
  text "+" at 3635,4375 h60
  text "-" at 3715,3445 h60
  text "-" at 4240,3440 h60
Bottom Overlay:
  text "+" at 4185,4380 h60
  text "+" at 3635,4375 h60
  text "-" at 3715,3445 h60
  text "-" at 4240,3440 h60
Top Solder:
  rectangle: 3720,4275 4165,4415
  rectangle: 3775,3425 4215,3520
Bottom Solder:
  rectangle: 3720,4275 4165,4415
  rectangle: 3775,3425 4215,3520